# Altium PCB ELRS Gemini TX.PcbDoc (part 1 of 2) (continued)
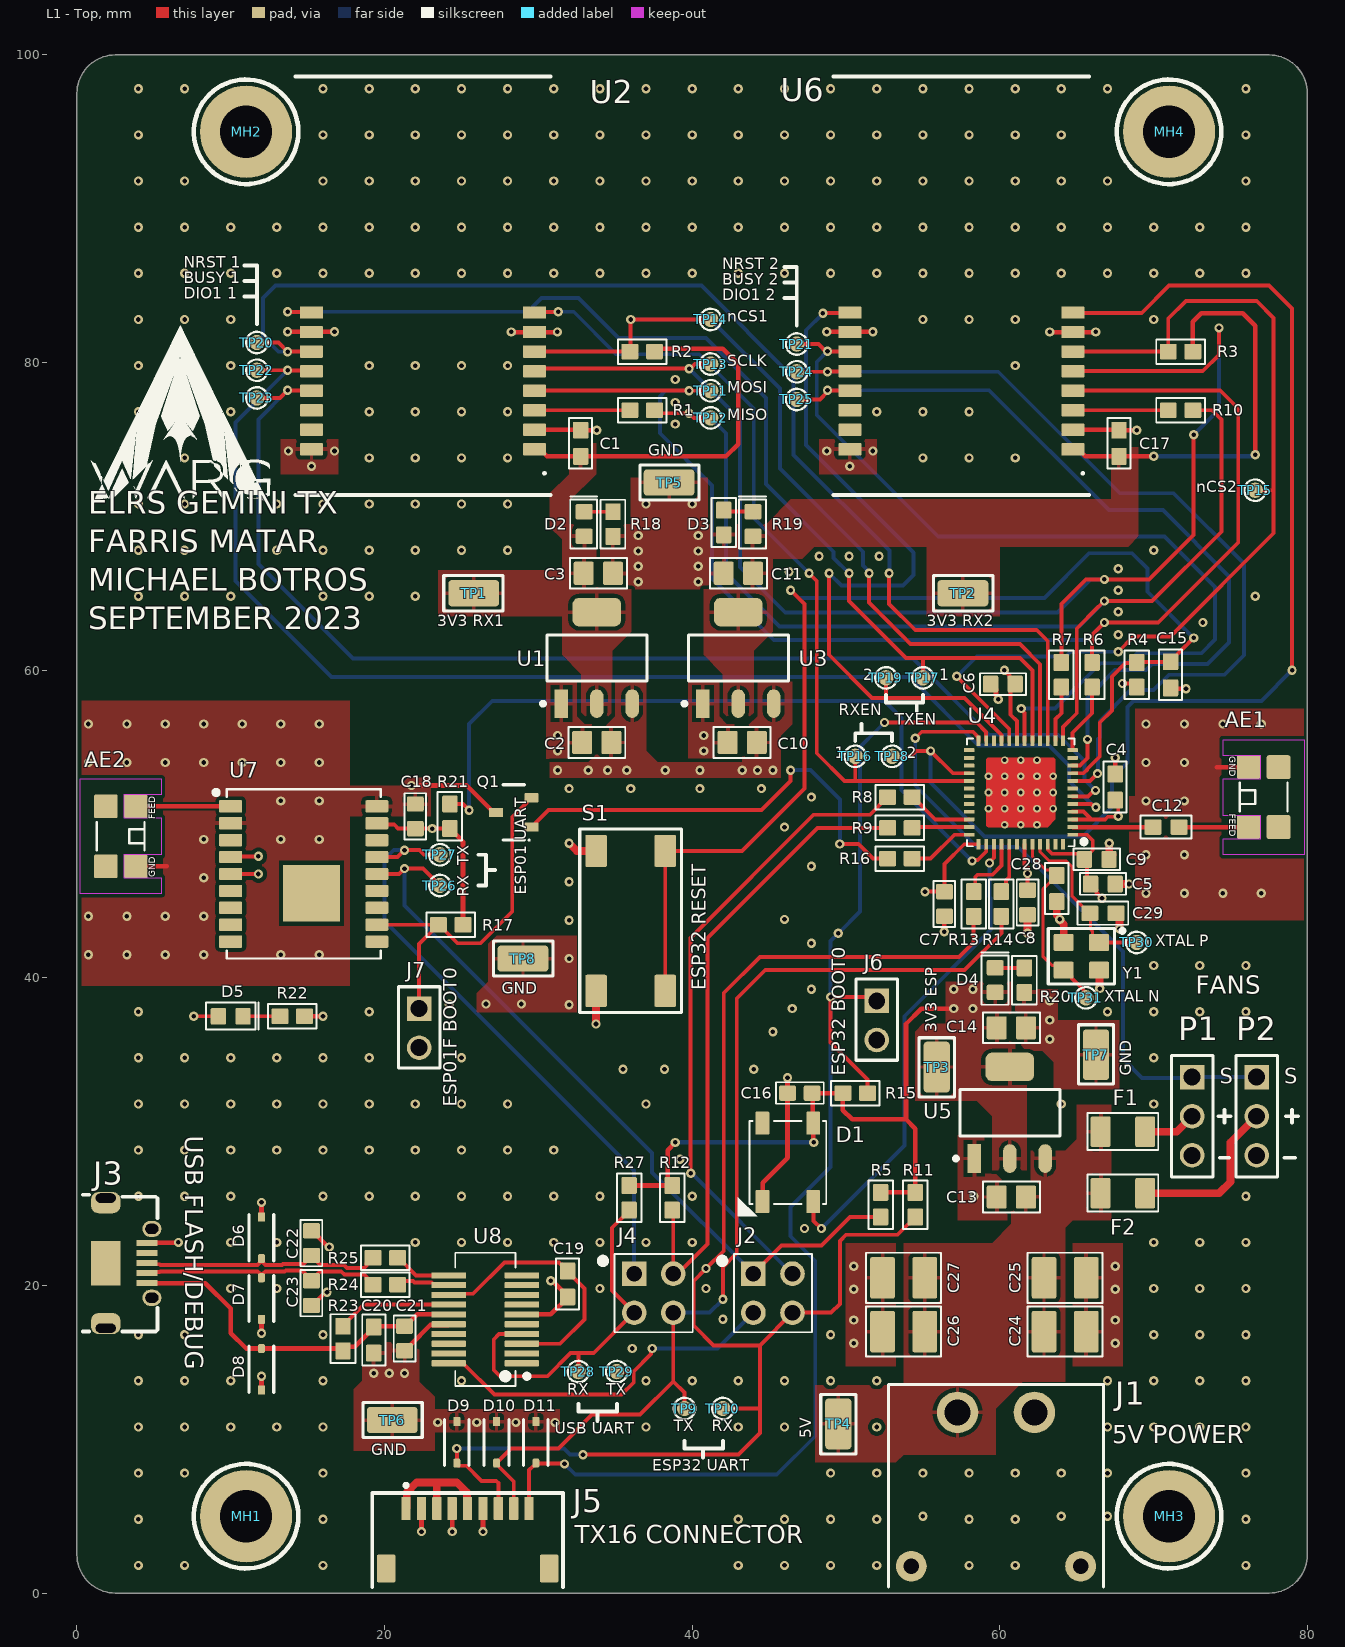
[diagram p0: L1 - Top view]
## Components (designator, comment, footprint, x,y, rotation, side; value= is the part's Value field where it differs from the comment)
AE1 "1461750001" 1461750001-Footprint-1 77.15,51.75 r270 top
AE2 "1461750001" 1461750001-Footprint-1 2.85,49.2 r90 top
C1 "GCM188R71C104KA37D" .CAP_0603-Footprint-1 32.75,74.75 r270 top value=0.1uF
C2 "CL21A106KOQNNNE" .CAP_0805-Footprint-1 33.8,55.3 r0 top value=10uF
C3 "CL21A226MOQNNNE" .CAP_0805-Footprint-1 33.9,66.3 r180 top value=22uF
C4 "GCM188R71C105KA64J" .CAP_0603-Footprint-1 67.5,52.4 r270 top value=1uF
C5 "CL10B104KA8NNNC" CAP0603 66.7,46.1 r180 top
C6 "CL10B104KA8NNNC" CAP0603 60.2,59.1 r0 top
C7 "CL10B104KA8NNNC" CAP0603 56.4,44.8 r90 top
C8 "CL10B104KA8NNNC" CAP0603 61.8,44.9 r90 top
C9 "CL10B104KA8NNNC" CAP0603 66.3,47.7 r180 top
C10 "CL21A106KOQNNNE" .CAP_0805-Footprint-1 43.25,55.3 r0 top value=10uF
C11 "CL21A226MOQNNNE" .CAP_0805-Footprint-1 43,66.3 r0 top value=22uF
C12 "CC0603KRX7R7BB103" .CAP_0603-Footprint-1 70.8,49.8 r0 top value=10nF
C13 "CL21A106KOQNNNE" .CAP_0805-Footprint-1 60.75,25.75 r0 top value=10uF
C14 "CL21A226MOQNNNE" .CAP_0805-Footprint-1 60.75,36.75 r180 top value=22uF
C15 "GRM188R61E106KA73J" .CAP_0603-Footprint-1 71.1,59.7 r90 top value=10uF
C16 "GRM188R61H225KE11D" .CAP0603-Footprint-2 47,32.5 r0 top value=2.2uF
C17 "GCM188R71C104KA37D" .CAP_0603-Footprint-1 67.75,74.75 r270 top value=0.1uF
C18 "CL10B104KA8NNNC" CAP0603 22,50.5 r270 top
C19 "CC0603KRX7R7BB103" .CAP_0603-Footprint-1 31.9,20.1 r270 top value=10nF
C20 "GRM188C81E475KE11D" .CAP_0603-Footprint-1 19.3,16.45 r90 top value=4.7uF
C21 "CL10B104KA8NNNC" CAP0603 21.3,16.55 r90 top
C22 "CL10C470JB8NNNC" CAP0603 15.25,22.75 r270 top value=47pF
C23 "CL10C470JB8NNNC" CAP0603 15.25,19.5 r90 top value=47pF
C24 "GRM32EC81A476KE19L" .CAP_1210-Footprint-1 64.25,17 r180 top value=47uF
C25 "GRM32EC81A476KE19L" .CAP_1210-Footprint-1 64.25,20.5 r180 top value=47uF
C26 "GRM32EC81A476KE19L" .CAP_1210-Footprint-1 53.75,17 r0 top value=47uF
C27 "GRM32EC81A476KE19L" .CAP_1210-Footprint-1 53.75,20.5 r0 top value=47uF
C28 "CC0603BRNPO9BN8R0" .CAP_0603-Footprint-1 63.7,45.8 r90 top
C29 "CC0603BRNPO9BN8R0" .CAP_0603-Footprint-1 66.7,44.2 r180 top
D1 "COM-16347" COM-16347-Footprint-1 46.216,28.001 r270 top
D2 "LTST-C191KGKT" .LED_0603-Footprint-1 32.975,69.5 r90 top
D3 "LTST-C191KGKT" .LED_0603-Footprint-1 43.95,69.5 r90 top
D4 "LTST-C191KGKT" .LED_0603-Footprint-1 59.7,39.85 r90 top
D5 "LTST-C191KGKT" .LED_0603-Footprint-1 10,37.5 r0 top
D6 "DESD5V0U1BA-7" DESD5V0U1BA-7-Footprint-1 12,23.1 r90 top
D7 "DESD5V0U1BA-7" DESD5V0U1BA-7-Footprint-1 12,19.15 r270 top
D8 "DESD5V0U1BA-7" DESD5V0U1BA-7-Footprint-1 12,14.55 r270 top
D9 "DESD5V0U1BA-7" DESD5V0U1BA-7-Footprint-1 24.7,9.8 r90 top
D10 "DESD5V0U1BA-7" DESD5V0U1BA-7-Footprint-1 27.28,9.8 r90 top
D11 "DESD5V0U1BA-7" DESD5V0U1BA-7-Footprint-1 29.84,9.8 r90 top
F1 "SF-1206SP050-2" .RES_1206-Footprint-1 68,30 r180 top
F2 "SF-1206SP050-2" .RES_1206-Footprint-1 68,26 r180 top
J1 "XT30PW-M" XT60PW-M-Footprint-1 59.75,11.75 r180 top
J2 "M20-9760246" M20-9760246-Footprint-1 45.25,19.5 r0 top
J3 "0475900001" 0475900001-Footprint-1 0.425,21.45 r270 top
J4 "M20-9760246" M20-9760246-Footprint-1 37.5,19.5 r0 top
J5 "2023960907" 2023960907-Footprint-1 25.4,5.5 r0 top
J6 "61300211121" 61300211121 52,37.23 r270 top
J7 "61300211121" 61300211121 22.25,36.73 r270 top
MH1 "M3HOLE-STANDARD" M3HOLE-STANDARD-Footprint-1 11,5 r0 top
MH2 "M3HOLE-STANDARD" M3HOLE-STANDARD-Footprint-1 11,95 r0 top
MH3 "M3HOLE-STANDARD" M3HOLE-STANDARD-Footprint-1 71,5 r0 top
MH4 "M3HOLE-STANDARD" M3HOLE-STANDARD-Footprint-1 71,95 r0 top
P1 "61300311121" 61300311121 72.5,31 r270 top
P2 "61300311121" 61300311121 76.7,31 r270 top
Q1 "MMBT3904-7-F" MMBT3904-7-F-Footprint-1 28.34,50.723 r180 top
R1 "RC0603FR-0733RL" .RES_0603-Footprint-1 36.75,76.9 r180 top value=33R
R2 "RC0603FR-0710KL" .RES_0603-Footprint-1 36.75,80.71 r0 top value=10k
R3 "RC0603FR-0710KL" .RES_0603-Footprint-1 71.75,80.71 r0 top value=10k
R4 "RC0603FR-0710KL" .RES_0603-Footprint-1 68.9,59.7 r270 top value=10k
R5 "RC0603FR-0710KL" .RES_0603-Footprint-1 52.25,25.25 r90 top value=10k
R6 "RC0603FR-0733RL" .RES_0603-Footprint-1 66,59.7 r270 top value=33R
R7 "RC0603FR-0733RL" .RES_0603-Footprint-1 64,59.7 r270 top value=33R
R8 "RC0603FR-07100RL" .RES_0603-Footprint-1 53.5,51.75 r180 top
R9 "RC0603FR-07100RL" .RES_0603-Footprint-1 53.5,49.75 r180 top
R10 "RC0603FR-0733RL" .RES_0603-Footprint-1 71.75,76.9 r180 top value=33R
R11 "RC0603FR-0710KL" .RES_0603-Footprint-1 54.5,25.25 r90 top value=10k
R12 "RC0603FR-0710KL" .RES_0603-Footprint-1 38.7,25.7 r90 top value=10k
R13 "RC0603FR-07100RL" .RES_0603-Footprint-1 58.3,44.8 r270 top
R14 "RC0603FR-07100RL" .RES_0603-Footprint-1 60.1,44.8 r270 top
R15 "RC0603FR-0710KL" .RES_0603-Footprint-1 50.6,32.5 r0 top value=10k
R16 "RC0603JR-074K7L" .RES_0603-Footprint-1 53.5,47.75 r180 top value=4.7k
R17 "RC0603FR-0710KL" .RES_0603-Footprint-1 24.3,43.45 r180 top value=10k
R18 "RC0603FR-071KL" .RES_0603-Footprint-1 34.85,69.5 r90 top value=1k
R19 "RC0603FR-071KL" .RES_0603-Footprint-1 42.05,69.6 r90 top value=1k
R20 "RC0603FR-071KL" .RES_0603-Footprint-1 61.6,39.85 r90 top value=1k
R21 "RC0603FR-0710KL" .RES_0603-Footprint-1 24.25,50.5 r90 top value=10k
R22 "RC0603FR-071KL" .RES_0603-Footprint-1 14,37.5 r180 top value=1k
R23 "RC0603FR-0710KL" .RES_0603-Footprint-1 17.3,16.55 r270 top value=10k
R24 "RC0603FR-0727RL" .RES_0603-Footprint-1 20.05,20.05 r0 top
R25 "RC0603FR-0727RL" .RES_0603-Footprint-1 20.05,21.8 r0 top
R27 "RC0603FR-0710KL" .RES_0603-Footprint-1 35.9,25.7 r90 top value=10k
S1 "SWITCH_SPST_NO" SWITCH_SPST_NO-Footprint-1 35.909,43.932 r270 top
TP1 "RCWCTE" RCWCTE-Footprint-1 25.8,65 r0 top
TP2 "RCWCTE" RCWCTE-Footprint-1 57.6,65 r180 top
TP3 "RCWCTE" RCWCTE-Footprint-1 55.9,34.2 r90 top
TP4 "RCWCTE" RCWCTE-Footprint-1 49.5,11 r90 top
TP5 "RCWCTE" RCWCTE-Footprint-1 38.5,72.2 r180 top
TP6 "RCWCTE" RCWCTE-Footprint-1 20.5,11.25 r180 top
TP7 "RCWCTE" RCWCTE-Footprint-1 66.25,35 r270 top
TP8 "RCWCTE" RCWCTE-Footprint-1 29,41.25 r180 top
TP9 "TESTINGPOINT_1MM" TESTINGPOINT_1MM-Footprint-1 39.5,12 r90 top
TP10 "TESTINGPOINT_1MM" TESTINGPOINT_1MM-Footprint-1 42,12 r90 top
TP11 "TESTINGPOINT_1MM" TESTINGPOINT_1MM-Footprint-1 41.2,78.166 r180 top
TP12 "TESTINGPOINT_1MM" TESTINGPOINT_1MM-Footprint-1 41.2,76.4 r180 top
TP13 "TESTINGPOINT_1MM" TESTINGPOINT_1MM-Footprint-1 41.2,79.9 r180 top
TP14 "TESTINGPOINT_1MM" TESTINGPOINT_1MM-Footprint-1 41.2,82.8 r90 top
TP15 "TESTINGPOINT_1MM" TESTINGPOINT_1MM-Footprint-1 76.6,71.7 r90 top
TP16 "TESTINGPOINT_1MM" TESTINGPOINT_1MM-Footprint-1 50.6,54.4 r90 top
TP17 "TESTINGPOINT_1MM" TESTINGPOINT_1MM-Footprint-1 55,59.5 r90 top
TP18 "TESTINGPOINT_1MM" TESTINGPOINT_1MM-Footprint-1 53,54.4 r90 top
TP19 "TESTINGPOINT_1MM" TESTINGPOINT_1MM-Footprint-1 52.6,59.5 r90 top
TP20 "TESTINGPOINT_1MM" TESTINGPOINT_1MM-Footprint-1 11.7,81.3 r90 top
TP21 "TESTINGPOINT_1MM" TESTINGPOINT_1MM-Footprint-1 46.8,81.2 r90 top
TP22 "TESTINGPOINT_1MM" TESTINGPOINT_1MM-Footprint-1 11.7,79.5 r90 top
TP23 "TESTINGPOINT_1MM" TESTINGPOINT_1MM-Footprint-1 11.7,77.7 r90 top
TP24 "TESTINGPOINT_1MM" TESTINGPOINT_1MM-Footprint-1 46.8,79.4 r90 top
TP25 "TESTINGPOINT_1MM" TESTINGPOINT_1MM-Footprint-1 46.8,77.6 r90 top
TP26 "TESTINGPOINT_1MM" TESTINGPOINT_1MM-Footprint-1 23.6,46 r90 top
TP27 "TESTINGPOINT_1MM" TESTINGPOINT_1MM-Footprint-1 23.6,48 r90 top
TP28 "TESTINGPOINT_1MM" TESTINGPOINT_1MM-Footprint-1 32.6,14.4 r90 top
TP29 "TESTINGPOINT_1MM" TESTINGPOINT_1MM-Footprint-1 35.1,14.4 r90 top
TP30 "TESTINGPOINT_1MM" TESTINGPOINT_1MM-Footprint-1 68.9,42.3 r90 top
TP31 "TESTINGPOINT_1MM" TESTINGPOINT_1MM-Footprint-1 65.6,38.7 r90 top
U1 "AZ1117IH-3.3TRG1" FP-SOT223-IPC_B 33.8,60.8 r90 top
U2 "E28-2G4M27S" CAC-127P2650X1500-16N 22.5,85 r180 top
U3 "AZ1117IH-3.3TRG1" FP-SOT223-IPC_B 43,60.8 r90 top
U4 "ESP32-PICO-D4" ESP32-PICO-D4-Footprint-1 61.365,52.05 r180 top
U5 "AZ1117IH-3.3TRG1" FP-SOT223-IPC_B 60.65,31.23 r90 top
U6 "E28-2G4M27S" CAC-127P2650X1500-16N 57.5,85 r180 top
U7 "ESP-01F-2M" ESP-01F-2M-Footprint-1 14.75,46.75 r0 top
U8 "FT231XS-R" FT231XS-R-Footprint-1 26.55,17.8 r180 top
Y1 "RH100-40.000-6-F-1010-EXT-TR" ECS-80-12-33-JGN-TR 65.3,41.4 r180 top

## Footprints (in the part's own frame and the unit in brackets; to place one, negate y for a bottom-side part, rotate by r counter-clockwise, add the part's x,y. Pads: shape width x height; smd on the part's side, far side on the other; paste and mask are expansions set on the pad)
0475900001-Footprint-1 [mm]
  rect 0.4x1.35 smd mask+0.05: 1(1.3,4.125) 2(0.65,4.125) 3(0,4.125) 4(-0.65,4.125) 5(-1.3,4.125)
  rect 2.9x1.9 smd mask+0.05: 16(0,1.45)
  rrect100% 1.05x1.25 hole 0.65 slot 0.85 at 90 deg mask+0.05: MH1(-2.225,4.45) MH2(2.25,4.45)
  rrect70% 1.375x1.9 hole 0.6 slot 1.3 at 90 deg copper offset 0.3,0 mask+0.05: MH3(-4.23,1.45)
  rrect70% 1.375x1.9 hole 0.6 slot 1.3 at 90 deg copper offset -0.3,0 mask+0.05: MH4(4.23,1.45)
  silkscreen extent -4.45,-0.03 4.45,4.83, body extent -4.32,-1.15 4.33,4.75, height 2.72
1461750001-Footprint-1 [mm]
  rrect15% 1.54x1.54 smd mask+0.05: 1(1.95,-0.97) 2(-1.95,-0.97) 3(-1.95,0.97) 4(1.95,0.97)
  L1 - Top keep-out region: -2.7,-2.64 -3.735,-2.64 -3.735,2.64 3.735,2.64 3.735,-2.64 2.7,-2.64 2.7,-0.2 1.2,-0.2 1.2,-2.64 -1.2,-2.64 -1.2,-0.2 -2.7,-0.2
  L4 - Bottom keep-out region: -3.735,2.64 3.735,2.64 3.735,-2.64 -3.735,-2.64
  silkscreen extent -0.92,-1.55 0.92,1.55, body extent -2.53,-1.54 2.53,1.54, height 4
2023960907-Footprint-1 [mm]
  rrect15% 0.6x1.5 smd: 1(-4,0) 2(-3,0) 3(-2,0) 4(-1,0) 5(0,0) 6(1,0) 7(2,0) 8(3,0) 9(4,0)
  rrect15% 1.2x1.8 smd: 10(-5.3,-3.9) 11(5.3,-3.9)
  silkscreen extent -6.2,-5.1 6.2,1.6, body extent -5.5,-5.48 5.5,0.43, height 4.7
61300211121 [mm] "Pin Header, pitch 2.54 mm, THT, Vertical, single row, 2p"
  rect 1.6x1.6 hole 1.1: 1(-1.27,0)
  round 1.6 hole 1.1: 2(1.27,0)
  silkscreen extent -2.69,-1.35 2.59,1.35, body extent -2.54,-1.27 2.54,1.27, height 8.55
61300311121 [mm] "Pin Header, pitch 2.54 mm, THT, Vertical, single row, 3p"
  rect 1.6x1.6 hole 1.1: 1(-2.54,0)
  round 1.6 hole 1.1: 2(0,0) 3(2.54,0)
  silkscreen extent -3.96,-1.35 3.96,1.35, body extent -3.81,-1.27 3.81,1.27, height 8.57
.CAP0603-Footprint-2 [mm]
  rrect25% 1.1x1 smd mask+0.05: 1(-0.8,0) 2(0.8,0)
  silkscreen extent -1.55,-0.7 1.55,0.7, body extent -0.87,-0.45 0.87,0.5, height 0.87
.CAP_0603-Footprint-1 [mm]
  rrect15% 1.1x1 smd: 1(-0.85,0) 2(0.85,0)
  silkscreen extent -1.65,-0.75 1.65,0.75, body extent -0.87,-0.45 0.87,0.5, height 0.87
.CAP_0805-Footprint-1 [mm]
  rrect15% 1.3x1.5 smd: 1(-0.95,0) 2(0.95,0)
  silkscreen extent -1.85,-1 1.85,1, body extent -1.1,-0.7 1.1,0.75, height 1.39
.CAP_1210-Footprint-1 [mm] "Chip Capacitor, 2-Leads, 1210 Generic"
  rrect15% 1.6x2.7 smd: 1(-1.375,0) 2(1.375,0)
  silkscreen extent -2.44,-1.63 2.44,1.63, body extent -1.75,-1.35 1.75,1.35, height 2.7
.LED_0603-Footprint-1 [mm]
  rrect20% 1x1.1 smd: 1(-0.8,0) 2(0.8,0)
  silkscreen extent -1.6,-0.85 1.8,0.9, body extent -0.81,-0.4 0.81,0.4, height 0.6
.RES_0603-Footprint-1 [mm]
  rrect15% 1.1x1 smd: 1(-0.8,0) 2(0.8,0)
  silkscreen extent -1.58,-0.8 1.58,0.8, body extent -0.8,-0.4 0.8,0.4, height 0.46
.RES_1206-Footprint-1 [mm]
  rrect20% 1.3x2 smd: 1(-1.45,0) 2(1.45,0)
  silkscreen extent -2.3,-1.2 2.3,1.2, body extent -1.6,-0.8 1.6,0.8, height 0.61
CAC-127P2650X1500-16N [mm] "Chip Array, Concave, 16-Leads, Pitch 1.27mm,  Body 26.50x15.00mm,  IPC Medium Density"
  rrect15% 1.5x0.8 smd: 1(-7.25,10.64) 2(-7.25,9.37) 3(-7.25,8.1) 4(-7.25,6.83) 5(-7.25,5.56) 6(-7.25,4.29) 7(-7.25,3.02) 8(-7.25,1.75) 9(7.25,1.75) 10(7.25,3.02) 11(7.25,4.29) 12(7.25,5.56) 13(7.25,6.83) 14(7.25,8.1) 15(7.25,9.37) 16(7.25,10.64)
  silkscreen extent -8.3,-13.6 8.3,13.6, body extent -7.55,-13.3 7.55,13.3, height 2.85
CAP0603 [mm] "Generic CAP 0603 Footprint"
  rrect20% 1x1.1 smd: 1(-0.8,0) 2(0.8,0)
  silkscreen extent -1.5,-0.7 1.5,0.7, body extent -0.88,-0.48 0.88,0.47, height 0.87
COM-16347-Footprint-1 [mm]
  rrect15% 1.5x0.9 smd mask+0.05: 1(-2.55,1.65) 2(-2.55,-1.65) 3(2.55,-1.65) 4(2.55,1.65)
  silkscreen extent -2.7,-3.25 3.5,2.5, body extent -2.67,-2.5 2.67,2.5, height 1.56
DESD5V0U1BA-7-Footprint-1 [mm]
  rrect15% 0.59x0.45 smd mask+0.102: 1(1.35,0)
  rrect50% 0.59x0.45 smd: 2(-1.35,0)
  silkscreen extent -1.5,-0.8 1.5,0.8, body extent -1.25,-0.65 1.25,0.65, height 1.2
ECS-80-12-33-JGN-TR [mm]
  rrect15% 1.3x1.1 smd: 1(-1.15,-0.9) 2(1.15,-0.9) 3(1.15,0.9) 4(-1.15,0.9)
  silkscreen extent -2.79,-1.8 2.15,1.8, body extent -1.6,-1.25 1.6,1.25, height 0.8
ESP32-PICO-D4-Footprint-1 [mm]
  rrect20% 0.68x0.25 smd paste-2539.97 mask+0.05: 1(-3.365,2.75) 2(-3.365,2.25) 3(-3.365,1.75) 4(-3.365,1.25) 5(-3.365,0.75) 6(-3.365,0.25) 7(-3.365,-0.25) 8(-3.365,-0.75) 9(-3.365,-1.25) 10(-3.365,-1.75) 11(-3.365,-2.25) 12(-3.365,-2.75) 25(3.365,-2.75) 26(3.365,-2.25) 27(3.365,-1.75) 28(3.365,-1.25) 29(3.365,-0.75) 30(3.365,-0.25) 31(3.365,0.25) 32(3.365,0.75) 33(3.365,1.25) 34(3.365,1.75) 35(3.365,2.25) 36(3.365,2.75)
  rrect20% 0.25x0.68 smd paste-2539.97 mask+0.05: 13(-2.75,-3.365) 14(-2.25,-3.365) 15(-1.75,-3.365) 16(-1.25,-3.365) 17(-0.75,-3.365) 18(-0.25,-3.365) 19(0.25,-3.365) 20(0.75,-3.365) 21(1.25,-3.365) 22(1.75,-3.365) 23(2.25,-3.365) 24(2.75,-3.365) 37(2.75,3.365) 38(2.25,3.365) 39(1.75,3.365) 40(1.25,3.365) 41(0.75,3.365) 42(0.25,3.365) 43(-0.25,3.365) 44(-0.75,3.365) 45(-1.25,3.365) 46(-1.75,3.365) 47(-2.25,3.365) 48(-2.75,3.365)
  round 0.025 smd paste-2539.97 mask+0.05: 49(0,0)
  L1 - Top region: -2.1,-2.25 -2.157,-2.239 -2.206,-2.206 -2.239,-2.157 -2.25,-2.1 -2.25,-2.1 -2.25,1.75 -1.75,2.25 2.1,2.25 2.157,2.239 2.206,2.206 2.239,2.157 2.25,2.1 2.25,2.1 2.25,-2.1 2.23,-2.175 2.175,-2.23 2.1,-2.25 2.1,-2.25
  silkscreen extent -4.25,-3.5 3.5,3.5, body extent -3.5,-3.5 3.5,3.5, height 1.04
ESP-01F-2M-Footprint-1 [mm]
  rrect15% 1.5x0.8 smd mask+0.05: 1(-4.75,4.4) 2(-4.75,3.3) 3(-4.75,2.2) 4(-4.75,1.1) 5(-4.75,0) 6(-4.75,-1.1) 7(-4.75,-2.2) 8(-4.75,-3.3) 9(-4.75,-4.4)
  rrect25% 1.5x0.8 smd mask+0.05: 10(4.75,-4.4) 11(4.75,-3.3) 12(4.75,-2.2) 13(4.75,-1.1) 14(4.75,0) 15(4.75,1.1) 16(4.75,2.2) 17(4.75,3.3) 18(4.75,4.4)
  rect 3.7x3.7 smd paste-2539.97 mask+0.05: 19(0.5,-1.25)
  silkscreen extent -5.85,-5.5 5,5.5, body extent -5,-5.5 5,5.5, height 2
FP-SOT223-IPC_B [mm]
  rect 1.86x0.872 smd paste+0 mask+0.05: 1(-2.976,2.3)
  rrect100% 1.86x0.872 smd paste+0 mask+0.05: 2(-2.976,0) 3(-2.976,-2.3)
  rrect47% 1.86x3.172 smd paste+0 mask+0.05: 4(2.976,0)
  silkscreen extent -3.1,-3.25 1.5,3.62, body extent -4.16,-3.5 4.16,3.5, height 0.25
FT231XS-R-Footprint-1 [mm]
  rrect25% 2.25x0.4 smd mask+0.05: 1(-2.375,2.857) 2(-2.375,2.222) 3(-2.375,1.587) 4(-2.375,0.952) 5(-2.375,0.317) 6(-2.375,-0.318) 7(-2.375,-0.953) 8(-2.375,-1.588) 9(-2.375,-2.223) 10(-2.375,-2.858) 11(2.375,-2.857) 12(2.375,-2.222) 13(2.375,-1.587) 14(2.375,-0.952) 15(2.375,-0.317) 16(2.375,0.318) 17(2.375,0.953) 18(2.375,1.588) 19(2.375,2.223) 20(2.375,2.858)
  silkscreen extent -2.85,-4.33 1.96,4.33, body extent -3,-4.33 3,4.33, height 1.75
M3HOLE-STANDARD-Footprint-1 [mm]
  round 6 hole 3.4: 1(0,0)
  silkscreen extent -3.4,-3.4 3.4,3.4
M20-9760246-Footprint-1 [mm]
  rect 1.6x1.6 hole 1.02 mask+0.05: 1(-1.27,1.27)
  round 1.6 hole 1.02 mask+0.05: 2(-1.27,-1.27) 3(1.27,-1.27) 4(1.27,1.27)
  silkscreen extent -3.5,-2.54 2.54,2.54, body extent -2.54,-2.54 2.54,2.54, height 9.5
MMBT3904-7-F-Footprint-1 [mm]
  rrect15% 0.9x0.6 smd: 1(-1.21,0.923) 2(1.09,-0.027) 3(-1.21,-0.977)
  silkscreen extent -1.11,-1.83 0.64,1.82, body extent -1.36,-1.53 1.24,1.47, height 1.1
RCWCTE-Footprint-1 [mm]
  rrect25% 3.3x1.7 smd: 1(0,0)
  silkscreen extent -1.95,-1.14 1.91,1.14, body extent -1.6,-0.8 1.6,0.8, height 2.01
SWITCH_SPST_NO-Footprint-1 [mm]
  rrect15% 2.1x1.4 smd: 1(-4.318,-2.159) 2(4.782,-2.159) 3(-4.318,2.341) 4(4.782,2.341)
  silkscreen extent -5.74,-3.22 6.18,3.39, body extent -4.82,-2.86 5.18,3.14, height 4.41
TESTINGPOINT_1MM-Footprint-1 [mm]
  round 1 smd: 1(0,0)
  silkscreen extent -0.7,-0.7 0.7,0.7
XT60PW-M-Footprint-1 [mm] "XT60PW-M-Footprint-1"
  round 2.7 hole 1.7: 1(2.5,0) 2(-2.5,0)
  round 2 hole 1: MH0(-5.5,10) MH1(5.5,10)
  silkscreen extent -7,-1.8 7,11.35, body extent -6.65,-1 6.65,12.95, height 5

## Part data
AE1 AE2: library part CMP-00141-3, "RF ANT 2.4GHZ/5.4GHZ CHIP SLD"
C1 C17: library part CMP-001-00020-5, "CAP CER 0.1uF 16V X7R 0603", Capactitance=0.1uF, Package=0603, Temperature Coefficient=X7R, Voltage=16V
C2 C10 C13: library part CMP-001-00016-4, "CAP CER 10UF 16V X5R 0805", Capacitance=10uF, Package=0805, Temperature Coefficient=X5R, Voltage=16V
C3 C11 C14: library part CMP-001-00015-4, "CAP CER 22UF 16V X5R 0805", Capacitance=22uF, Package=0805, Temperature Coefficient=X5R, Voltage=16V
C4: library part CMP-001-00007-6, "CAP CER 1uF 16V X7R 0603", Capacitance=1uF, Package=0603, Voltage=16V
C5 C6 C7 C8 C9 C18 C21: library part CMP-00057-1, "CAP CER 0.1UF 25V X7R 0603", Capacitance=100nF, Case/Package=0603, Dielectric=X7R, Tolerance=10%, Voltage Rating=25V
C12 C19: library part CMP-001-00004-10, "CAP CER 10nF 16V X7R 0603", Capacitance=10nF, Package=0603, Voltage=16V
C15: library part CMP-00056-3, "CAP CER 10UF 25V X5R 0603", Case/Package=0603, Temperature Coefficient=X5R, Voltage Rating=25V
C16: library part CMP-001-00028-4, "CAP CER 2.2UF 50V X5R 0603", Manufacturer 1="Murata Electronics", Package=0603, Supplier Part Number 1=490-10733-1-ND, Temperature Coefficient=X5R, Tolerance=10%, Voltage Rating=50V, Manufacturer Part Number 1=GRM188R61H225KE11D, Mounting Type="Surface Mount", Supplier 1=Digi-Key
C20: library part CMP-001-00002-8, "CAP CER 4.7uF 25V X6S 0603", Capacitance=4.7uF, Package=0603, Voltage=25V
C22 C23: library part CMP-00133-1, "CAP CER 47PF ±5% 50V C0G/NP0 0603", Case/Package=0603, Voltage Rating=50V
C24 C25 C26 C27: library part CMP-001-00040-2, "CAP CER 47UF 10V X6S 1210", Voltage Rating=10V
C28 C29: library part CMP-00158-1, "CAP CER 8PF ±0.1PF 50V C0G, NP0 0603", Capacitance=8pF, Operating Temperature="-55°C ~ 125°C", Package=0603, Tolerance=±0.1pF, Voltage Rating=50V, Mounting Type=SMD
D1: library part CMP-00136-1, "ADDRESS LED RED/GRN/BLUE"
D2 D3 D4 D5: library part CMP-001-00018-6, "LED GREEN 2V 0603", Case/Package=0603, Color=Green, Forward Current=20mA, Forward Voltage=2V
D6 D7 D8 D9 D10 D11: library part CMP-00145-5, "TVS DIODE, 5V V(RWM), Bidirectional, 1 Element, Silicon", Max Breakdown Voltage=9.5V, Max Operating Temperature=150°C, Max Power Dissipation=250mW, Min Breakdown Voltage=5.5V, Min Operating Temperature=-65°C, Rep Pk Reverse Voltage-Max=5V, Diode Type="TRANS VOLTAGE SUPPRESSOR", Polarity=Bidirectional
F1 F2: library part CMP-00156-1, "FUSE BOARD MNT 500MA 63VDC 1206", Current Rating=500mA, Operating Temperature Range="-20°C ~ 105°C", Package Name=1206, Voltage Rating=63V, Mount Type=SMD
J1: library part CMP-00134-1, "Board Mount XT30PW-M 2 Pin Male Connector"
J2 J4: library part CMP-00130-1, "CONN HEADER SMD 4POS 2.54MM", Mounting Type=SMD
J3: library part CMP-00106-5, "RightAngle SMT TypeABVersion 2.0 Micro USB Conn Skt; 30Vac; 1.8A 47650 MICRO-USB", Connector Type=USB, Mount="Surface Mount"
J5: library part CMP-00162-2, "CONN HEADER SMD R/A 9POS 1MM", Manufacturer=Molex, Positions=9, Type="Right angle, through hole"
J6 J7: library part CMP-00165-1, "CONN HEADER VERT 2POS 2.54MM", Operating Temperature Range="-40°C ~ 105°C", Mounting Type=TH
MH1 MH2 MH3 MH4: library part CMP-00005-4, "Standard M3 Mounting hole as defined by mech team, see confluence for reasonning", Hole Diam=3.4, Plating Diam=6
P1 P2: library part CMP-00111-1, "CONN HEADER 3 POS 2.54", Connector Type="Male Pin", Mount="Through Hole", Number of Positions=3, Pitch=0.1inch
Q1: library part CMP-013-00011-1, "NPN Ic=200mA Vceo=40V hfe=100~300 fT=310MHz P=300mW SOT-23", Case/Package=SOT-23, Collector Base Voltage (VCBO)=60V, Collector Emitter Breakdown Voltage=40V, Collector Emitter Saturation Voltage=300mV, Continuous Collector Current=200mA, Emitter Base Voltage (VEBO)=6V, Power Dissipation=350mW, Collector Emitter Voltage (VCEO)=40V, Collector-emitter Voltage-Max=300mV, Height=1mm, Max Breakdown Voltage=40V, Max Collector Current=200mA, Polarity=NPN
R1 R6 R7 R10: library part CMP-00151-1, "RES 33 OHM ±1% 1/10W 0603", Case/Package=0603, Power=100mW, Tolerance=1%
R2 R3 R4 R5 R11 R12 R15 R17 R21 R23 R27: library part CMP-009-00006-4, "RES 10K OHM 1% 1/10W 0603", Package=0603, Power=1/10W, Resistance=10k
R8 R9 R13 R14: library part CMP-00022-3, "RES 100 OHM 1% 1/10W 0603", Case Code (Imperial)=0603, Case Code (Metric)=1608, Max Operating Temperature=155°C, Max Power Dissipation=100mW, Min Operating Temperature=-55°C, Resistance=100R, Resistance Tolerance=1%, Resistor Type="Thick Film", Temperature Coefficient=100ppm/°C, Voltage Rating=50V, Case/Package=0603, Construction=Rectangular, Depth=0.8mm, Features="Moisture Resistant", Height=0.45mm, Lead Free="Lead Free", Length=1.6mm, Military Standard=Not, Number of Pins=2, Number of Terminations=2, Packaging="Tape and Reel", Power Rating=100mW, REACH SVHC=Unknown, RoHS Compliant=Yes, Series=RC, Size Code=0603, Technology="THICK FILM", Termination=SMD/SMT, Tolerance=1%, Voltage Rating (DC)=50V, Width=0.8mm
R16: library part CMP-009-00019-3, "RES 4.7K OHM 5% 1/10W 0603", Case/Package=0603, Power Rating=100mW, Resistance=4.7k, Resistance Tolerance=5%, Voltage Rating (DC)=50V
R18 R19 R20 R22: library part CMP-009-00012-3, "RES 1k OHM 1% 1/10W 0603", Case/Package=0603, Power=1/10W
R24 R25: library part CMP-00138-1, "RES 27 OHM ±1 1/10W 0603", Max Operating Temperature=155°C, Min Operating Temperature=-55°C, Package Name=0603, Resistance=27R, Tolerance=1%, Mounting Type=SMD
S1: library part CMP-011-00000-4, "SWITCH TACTILE SPST-NO 0.05A 12V", Manufacturer Part Number=TL3301NF160QG/TR, Supplier Part Number=EG1867CT-ND, Mounting Type="Surface Mount", Supplier=Digi-Key
TP1 TP2 TP3 TP4 TP5 TP6 TP7 TP8: library part CMP-00028-00003-1, "SMT Test Point", Mount="Surface Mount"
TP9 TP10 TP11 TP12 TP13 TP14 TP15 TP16 TP17 TP18 TP19 TP20 TP21 TP22 TP23 TP24 TP25 TP26 TP27 TP28 TP29 TP30 TP31: library part CMP-00028-00002-1, "Testing Point 1mm Radius", Radius=1mm
U1 U3 U5: library part CMP-00132-1, "Linear Voltage Regulator IC Positive Fixed 1 Output 3.3V 800mA SOT-223", Case/Package=TO-261-4, Dropout Voltage=1.2V, Max Operating Temperature=125°C, Min Current Limit=1A, Min Operating Temperature=-40°C, Output Current=800mA, Output Voltage=3.3V, Mounting Technology="Surface Mount", Number of Regulators=1, Packaging="Cut Tape", Pins=3, RoHS Compliant=Yes, Series=-
U2 U6: library part CMP-00131-1, "SX1280 2.4GHz 27dBm SPI High Speed LoRa Module"
U4: library part CMP-00128-2, "RF TXRX MOD WIFI SURFACE MOUNT", Package Name="48-SMD Module", Mounting Type=SMD
U7: library part CMP-00127-1, "-90dBm 16dBm ESP8285 External Antenna 2.4GHz - WiFi Modules ROHS"
U8: library part CMP-00129-4, "IC USB SERIAL FULL UART 20SSOP", Package Name=20-SSOP, Mounting Type=SMD
Y1: library part CMP-00157-1, "CRYSTAL 40.0000MHZ 6PF SMD", Operating Temperature="-40°C ~ 85°C", Mounting Type=SMD

## Via types
v1: diameter 0.6, hole 0.3, L1 - Top to L4 - Bottom, tented both sides, 543 vias
v2: diameter 0.5, hole 0.25, L1 - Top to L4 - Bottom, tented bottom, 21 vias

## Nets (pads, with @x,y where several pads share a name; then routed paths per layer and width w, separated by ;. In a path a pad name is that pad's centre, name@x,y a point inside that pad or via, vN(x,y) a via of type N, cw(c..) or ccw(c..) an arc to the next point about the centre after c; other vN are vias at no path point)
01F_IO16: D5.1 U7.5 | length 14.4
  L1 - Top w0.254: v1(7.6,37.5) D5.1@9.2,37.5 ; U7.5@10,46.75 v1(11.8,46.75)
  L3 - Power w0.254: v1(7.6,37.5) 8.25,38.15 8.25,39.25 11.8,42.8 v1(11.8,46.75)
01F_LED: D5.2 R22.2 | length 2.4
  L1 - Top w0.254: D5.2@10.8,37.5 R22.2@13.2,37.5
3.3V_ESP: C4.2 C5.2 C6.2 C7.2 C8.2 C9.2 C14.2 C16.2 C18.2 D1.1 D4.1 R4.2 R5.2 R11.2 R12.2 R15.1 R17.1 R21.1 R27.2 TP3.1 U4.1 U4.3 U4.4 U4.19 U4.37 U4.43 U4.46 U5.2 U5.4 U7.17 | length 83.4
  L1 - Top w0.254: U7.17@19.5,50.05 19.592,49.957 20.631,49.957 20.888,49.7 C18.2@22,49.7 v1(23.1,49.7) R21.1@24.25,49.7 ; v1(55.135,45.6) C7.2@56.4,45.6 56.4,47.4 57.685,48.685 U4.37@58.615,48.685 ; v1(60.3,60) 60.3,59.978 60.6,59.678 60.6,59.672 60.627,59.645 60.627,59.523 61,59.15 C6.2@61,59.1 60.7,58.8 60.7,57.1 61.115,56.685 U4.19@61.115,55.415 ; U4.43@61.615,48.685 61.615,47.377 61.8,47.193 C8.2@61.8,45.7 ; U4.46@63.115,48.685 63.115,48.343 63.39,48.068 C9.2@65.488,48.068 ; U4.3@64.73,50.3 65.951,50.3 ; U4.4@64.73,50.8 65.451,50.8 65.951,50.3 ; U4.1@64.943,49.3 65.667,49.3 66.043,48.924 66.043,48.293 65.65,47.9 C9.2@65.65,47.85 ; C9.2@65.488,48.012 C9.2@65.65,47.85 ; v1(66.64,45.169) 66.273,45.537 66.273,45.727 65.669,46.331 65.669,47.831 C9.2@65.65,47.85 ; C4.2@67.5,51.55 67.7,51.35 v1(67.7,50.5) 67.669,50.469 67.019,50.469 66.85,50.3 65.951,50.3 ; v1(67.968,59.132) 68.668,59.132 R4.2@68.9,58.9
  L1 - Top w0.3: R21.1@24.25,49.7 24.25,49.65 24.6,49.3 24.65,49.3 25.1,48.85 R17.1@25.1,43.45 ; R27.2@35.9,26.5 R12.2@38.7,26.5 38.4,26.8 38.4,28.8 v1(38.9,29.3) ; v1(47.9,29.3) 47.883,29.317 47.883,30.534 D1.1@47.866,30.551 47.833,30.584 47.833,32.467 C16.2@47.8,32.5 R15.1@49.8,32.5 49.8,31.4 50.4,30.8 53.9,30.8 ; R5.2@52.25,26.05 R11.2@54.5,26.05 54.5,30.2 53.9,30.8 ; v1(57,38) 54.9,38 53.9,37 53.9,30.8
  L4 - Bottom w0.3: v1(38.9,29.3) v1(47.9,29.3)
  other v1: 58.25,38 57,39.25 58.25,39.25 61.8,46.78
3.3V_RX_1: C1.2 C3.2 D2.1 R2.2 TP1.1 U1.2 U1.4 U2.1 | length 24.9
  L1 - Top w0.3: U2.1@29.75,74.36 30.1,74.36 30.56,73.9 C1.2@32.75,73.9 42.2,73.9 43,74.7 43,79.9 42,80.9 37.74,80.9 R2.2@37.55,80.71
3.3V_RX_2: C11.2 C17.2 D3.1 R3.2 TP2.1 U3.2 U3.4 U6.1 | length 27
  L1 - Top w0.3: U6.1@64.75,74.36 65.1,74.36 65.56,73.9 C17.2@67.75,73.9 v1(70,73.9) ; R3.2@72.55,80.71 72.55,82.65 73.1,83.2 75.8,83.2 76.6,82.4 v1(76.6,74)
  L4 - Bottom w0.3: v1(70,73.9) 76.419,73.9 76.519,74 v1(76.6,74)
5V: C2.2 C10.2 C13.2 C24.2 C25.2 C26.2 C27.2 F1.2 F2.2 J1.1 TP4.1 U1.3 U3.3 U5.3
  other v1: 31.25,53.5 33.25,53.5 34.5,53.5 35.75,53.5 38.25,53.5 40.5,53.5 43.25,53.5 44.25,53.5 45.25,53.5
5V_USB: C20.2 C21.2 D8.2 J3.1 R23.2 U8.15 | length 23.4
  L1 - Top w0.3: J3.1@4.55,20.15 8.35,20.15 10,18.5 10,16.9 11,15.9 D8.2@12,15.9 17.15,15.9 R23.2@17.3,15.75 17.571,16.021 18.071,16.021 19.3,17.25 C20.2@19.3,17.3 19.35,17.35 C21.2@21.3,17.35 21.35,17.35 22.118,18.117 U8.15@24.175,18.117
BUSY_1: TP22.1 U2.12 U4.5 | length 82.9
  L1 - Top w0.254: TP22.1@11.7,79.5 v1(13.7,79.5) 13.73,79.47 15.22,79.47 U2.12@15.25,79.44 ; U4.5@64.73,51.3 65.938,51.3 66.152,51.085 v1(66.246,51.085)
  L4 - Bottom w0.254: v1(13.7,79.5) 10.315,76.115 10.315,65.785 16.55,59.55 54.15,59.55 58.6,55.1 63.2,55.1 64.5,53.8 64.5,52.785 66.2,51.085 v1(66.246,51.085)
BUSY_2: TP24.1 U4.8 U6.12 | length 58.1
  L1 - Top w0.254: TP24.1@46.8,79.4 v1(48.8,79.4) 48.82,79.42 50.23,79.42 U6.12@50.25,79.44 ; U4.8@64.73,52.8 65.863,52.8 66.34,53.277 v1(66.349,53.277)
  L4 - Bottom w0.254: v1(48.8,79.4) 59.9,79.4 67.8,71.5 71.3,71.5 75.873,66.927 75.873,60.973 74.6,59.7 71,59.7 70,58.7 68.5,58.7 66.5,56.7 66.5,55.637 66.381,55.518 66.381,53.309 v1(66.349,53.277)
DIO1_1: TP23.1 U2.13 U4.6 | length 78.7
  L1 - Top w0.254: TP23.1@11.7,77.7 13.2,77.7 v1(13.7,78.2) 13.715,78.185 15.235,78.185 U2.13@15.25,78.17 ; U4.6@64.73,51.8 65.739,51.8 66.124,52.185 v1(66.218,52.185)
  L4 - Bottom w0.254: v1(13.7,78.2) 11.8,76.3 11.8,66.9 17.95,60.75 54.35,60.75 59.3,55.8 63.8,55.8 65.5,54.1 65.5,52.892 66.207,52.185 v1(66.218,52.185)